# KiCad board GanJing 65 rev 2 solder-rounded.kicad_pcb (continued)
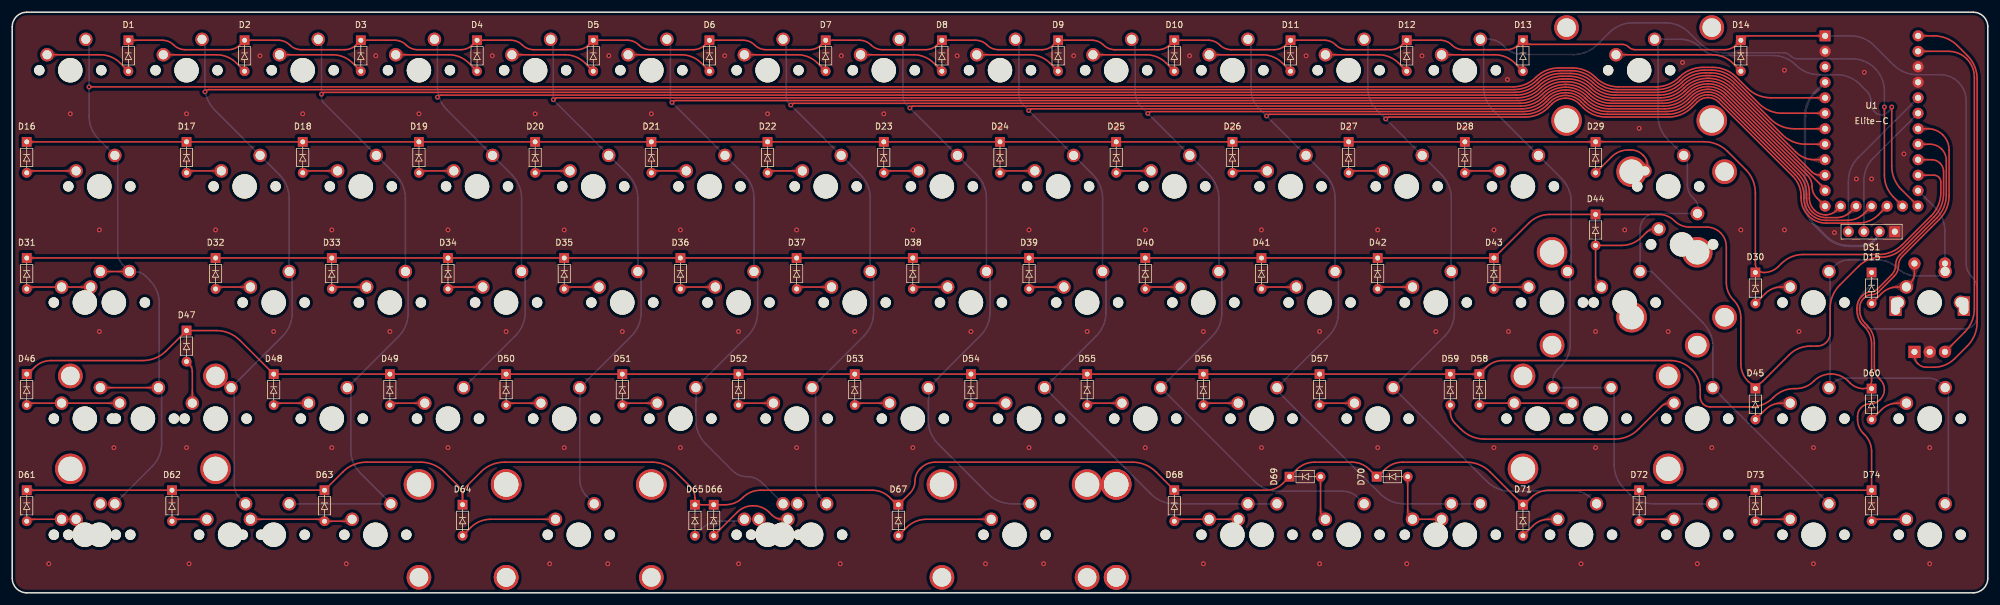
[diagram p0: board, top side]
## Copper pours and planes (outline as drawn; the poured copper is in the pictures) (continued)
col_1 on Bottom: 17.51,54.5 17.64,54.22 17.73,53.98 17.8,53.76 17.86,53.57 17.9,53.39 17.97,53.03 18.02,52.83 18.08,52.61 18.17,52.34 19.6,52.32 19.57,53.74 19.32,53.82 19.09,53.86 18.88,53.89 18.68,53.91 18.5,53.94 18.33,53.99 18.16,54.07 18.01,54.19 17.87,54.37 17.73,54.61
col_1 on Bottom: 21.42,52.47 21.19,52.62 21,52.75 20.84,52.86 20.7,52.97 20.45,53.17 20.32,53.28 20.17,53.39 20,53.51 19.79,53.64 18.66,52.73 19.65,51.7 19.85,51.8 20.02,51.92 20.18,52.04 20.32,52.16 20.46,52.26 20.6,52.35 20.75,52.39 20.91,52.4 21.09,52.36 21.29,52.25
col_1 on Bottom: 15.19,73.22 15.36,73.02 15.49,72.84 15.57,72.67 15.61,72.51 15.64,72.35 15.65,72.19 15.66,72.01 15.68,71.83 15.72,71.62 15.79,71.39 17.22,71.37 17.19,72.79 16.96,72.86 16.76,72.9 16.57,72.92 16.4,72.93 16.23,72.94 16.07,72.97 15.91,73.02 15.74,73.1 15.56,73.22 15.37,73.39
col_2 on Top: 295.39,78.55 295.6,78.53 295.77,78.5 295.92,78.45 296.04,78.39 296.15,78.31 296.25,78.23 296.36,78.14 296.48,78.05 296.62,77.95 296.79,77.86 297.63,78.67 296.79,79.48 296.62,79.39 296.48,79.29 296.36,79.2 296.25,79.11 296.15,79.03 296.04,78.95 295.92,78.89 295.77,78.84 295.6,78.81 295.39,78.8
col_2 on Top: 295.39,78.55 295.6,78.53 295.77,78.5 295.92,78.45 296.04,78.39 296.15,78.31 296.25,78.23 296.36,78.14 296.48,78.05 296.62,77.95 296.79,77.86 297.63,78.67 296.79,79.48 296.62,79.39 296.48,79.29 296.36,79.2 296.25,79.11 296.15,79.03 296.04,78.95 295.92,78.89 295.77,78.84 295.6,78.81 295.39,78.8
col_2 on Bottom: 36.52,31.58 36.54,31.87 36.57,32.11 36.62,32.32 36.68,32.5 36.75,32.66 36.82,32.82 36.88,32.99 36.93,33.18 36.96,33.4 36.98,33.66 35.62,34.14 35.23,32.76 35.4,32.65 35.56,32.56 35.71,32.48 35.84,32.4 35.97,32.32 36.07,32.22 36.16,32.11 36.22,31.97 36.26,31.8 36.27,31.58
col_2 on Bottom: 31.73,88.71 31.74,89 31.78,89.25 31.83,89.46 31.9,89.64 31.97,89.8 32.04,89.97 32.11,90.13 32.16,90.32 32.2,90.54 32.21,90.81 30.87,91.3 30.44,89.94 30.6,89.82 30.76,89.72 30.91,89.63 31.04,89.55 31.17,89.46 31.27,89.36 31.36,89.25 31.42,89.1 31.46,88.93 31.48,88.71
col_2 on Bottom: 37.34,35.29 37.14,35.12 36.97,35 36.8,34.92 36.64,34.87 36.47,34.84 36.31,34.83 36.14,34.82 35.95,34.8 35.74,34.76 35.52,34.69 35.49,33.27 36.92,33.29 36.98,33.52 37.02,33.73 37.04,33.91 37.05,34.09 37.07,34.25 37.09,34.41 37.14,34.57 37.22,34.74 37.34,34.92 37.51,35.12
col_2 on Bottom: 36.52,31.58 36.54,31.87 36.57,32.11 36.62,32.32 36.68,32.5 36.75,32.66 36.82,32.82 36.88,32.99 36.93,33.18 36.96,33.4 36.98,33.66 35.62,34.14 35.23,32.76 35.4,32.65 35.56,32.56 35.71,32.48 35.84,32.4 35.97,32.32 36.07,32.22 36.16,32.11 36.22,31.97 36.26,31.8 36.27,31.58
col_2 on Bottom: 45.28,54.9 45.26,54.63 45.22,54.42 45.16,54.25 45.08,54.1 44.98,53.97 44.88,53.84 44.76,53.71 44.64,53.56 44.53,53.39 44.41,53.18 45.4,52.16 46.39,53.18 46.28,53.39 46.16,53.56 46.04,53.71 45.93,53.84 45.82,53.97 45.73,54.1 45.64,54.25 45.58,54.42 45.54,54.63 45.53,54.9
col_2 on Bottom: 46.02,50.62 46.04,50.91 46.07,51.15 46.13,51.36 46.19,51.54 46.26,51.71 46.33,51.87 46.4,52.04 46.45,52.23 46.49,52.44 46.5,52.71 45.16,53.2 44.73,51.83 44.9,51.71 45.06,51.62 45.21,51.53 45.34,51.45 45.47,51.36 45.57,51.27 45.66,51.15 45.72,51.01 45.76,50.83 45.77,50.62
col_2 on Bottom: 31.73,88.71 31.74,89 31.78,89.25 31.83,89.46 31.9,89.64 31.97,89.8 32.04,89.97 32.11,90.13 32.16,90.32 32.2,90.54 32.21,90.81 30.87,91.3 30.44,89.94 30.6,89.82 30.76,89.72 30.91,89.63 31.04,89.55 31.17,89.46 31.27,89.36 31.36,89.25 31.42,89.1 31.46,88.93 31.48,88.71
col_2 on Bottom: 45.28,54.9 45.26,54.63 45.22,54.42 45.16,54.25 45.08,54.1 44.98,53.97 44.88,53.84 44.76,53.71 44.64,53.56 44.53,53.39 44.41,53.18 45.4,52.16 46.39,53.18 46.28,53.39 46.16,53.56 46.04,53.71 45.93,53.84 45.82,53.97 45.73,54.1 45.64,54.25 45.58,54.42 45.54,54.63 45.53,54.9
col_2 on Bottom: 36.59,16.38 36.71,16.1 36.8,15.86 36.87,15.65 36.92,15.46 36.96,15.28 36.99,15.11 37.03,14.93 37.07,14.73 37.14,14.5 37.22,14.24 38.65,14.22 38.62,15.64 38.38,15.71 38.15,15.76 37.94,15.78 37.75,15.81 37.56,15.83 37.39,15.88 37.23,15.96 37.08,16.08 36.94,16.25 36.81,16.48
col_2 on Bottom: 37.34,35.29 37.14,35.12 36.97,35 36.8,34.92 36.64,34.87 36.47,34.84 36.31,34.83 36.14,34.82 35.95,34.8 35.74,34.76 35.52,34.69 35.49,33.27 36.92,33.29 36.98,33.52 37.02,33.73 37.04,33.91 37.05,34.09 37.07,34.25 37.09,34.41 37.14,34.57 37.22,34.74 37.34,34.92 37.51,35.12
col_2 on Bottom: 46.02,50.62 46.04,50.91 46.07,51.15 46.13,51.36 46.19,51.54 46.26,51.71 46.33,51.87 46.4,52.04 46.45,52.23 46.49,52.44 46.5,52.71 45.16,53.2 44.73,51.83 44.9,51.71 45.06,51.62 45.21,51.53 45.34,51.45 45.47,51.36 45.57,51.27 45.66,51.15 45.72,51.01 45.76,50.83 45.77,50.62
col_2 on Bottom: 36.59,16.38 36.71,16.1 36.8,15.86 36.87,15.65 36.92,15.46 36.96,15.28 36.99,15.11 37.03,14.93 37.07,14.73 37.14,14.5 37.22,14.24 38.65,14.22 38.62,15.64 38.38,15.71 38.15,15.76 37.94,15.78 37.75,15.81 37.56,15.83 37.39,15.88 37.23,15.96 37.08,16.08 36.94,16.25 36.81,16.48
col_3 on Top: 295.39,76 295.6,75.99 295.77,75.96 295.92,75.91 296.04,75.85 296.15,75.77 296.25,75.69 296.36,75.6 296.48,75.51 296.62,75.41 296.79,75.32 297.63,76.13 296.79,76.94 296.62,76.85 296.48,76.75 296.36,76.66 296.25,76.57 296.15,76.49 296.04,76.41 295.92,76.35 295.77,76.3 295.6,76.27 295.39,76.25
col_3 on Top: 295.39,76 295.6,75.99 295.77,75.96 295.92,75.91 296.04,75.85 296.15,75.77 296.25,75.69 296.36,75.6 296.48,75.51 296.62,75.41 296.79,75.32 297.63,76.13 296.79,76.94 296.62,76.85 296.48,76.75 296.36,76.66 296.25,76.57 296.15,76.49 296.04,76.41 295.92,76.35 295.77,76.3 295.6,76.27 295.39,76.25
col_3 on Bottom: 65.03,50.6 65.04,50.89 65.08,51.13 65.13,51.34 65.2,51.52 65.28,51.68 65.35,51.84 65.42,52.01 65.49,52.19 65.53,52.41 65.55,52.67 64.23,53.21 63.74,51.86 63.91,51.74 64.06,51.63 64.21,51.54 64.35,51.45 64.47,51.36 64.57,51.26 64.66,51.14 64.72,51 64.76,50.82 64.78,50.6
col_3 on Bottom: 60.43,16.09 60.61,15.89 60.73,15.72 60.81,15.55 60.86,15.38 60.89,15.22 60.9,15.06 60.91,14.88 60.93,14.7 60.96,14.49 61.03,14.26 62.45,14.21 62.45,15.64 62.22,15.71 62.01,15.75 61.82,15.77 61.65,15.79 61.48,15.81 61.32,15.83 61.16,15.88 60.99,15.97 60.81,16.09 60.61,16.27
col_3 on Bottom: 50.82,88.74 50.84,89.03 50.87,89.27 50.92,89.47 50.98,89.65 51.04,89.82 51.11,89.98 51.17,90.15 51.22,90.33 51.25,90.55 51.26,90.81 49.9,91.29 49.53,89.91 49.7,89.8 49.86,89.71 50.01,89.63 50.14,89.55 50.27,89.47 50.37,89.37 50.46,89.26 50.52,89.12 50.56,88.95 50.57,88.74
col_3 on Bottom: 59.88,14.48 60.14,14.47 60.35,14.43 60.53,14.36 60.68,14.28 60.81,14.19 60.94,14.08 61.07,13.97 61.21,13.85 61.38,13.73 61.59,13.62 62.62,14.6 61.59,15.59 61.38,15.48 61.21,15.36 61.07,15.24 60.94,15.13 60.81,15.02 60.68,14.93 60.53,14.85 60.35,14.78 60.14,14.74 59.88,14.73
col_3 on Bottom: 47.59,14.73 47.33,14.74 47.12,14.78 46.95,14.85 46.8,14.93 46.66,15.02 46.54,15.13 46.41,15.24 46.26,15.36 46.09,15.48 45.88,15.59 44.85,14.6 45.88,13.62 46.09,13.73 46.26,13.85 46.41,13.97 46.54,14.08 46.66,14.19 46.8,14.28 46.95,14.36 47.12,14.43 47.33,14.47 47.59,14.48
col_3 on Bottom: 50.82,88.74 50.84,89.03 50.87,89.27 50.92,89.47 50.98,89.65 51.04,89.82 51.11,89.98 51.17,90.15 51.22,90.33 51.25,90.55 51.26,90.81 49.9,91.29 49.53,89.91 49.7,89.8 49.86,89.71 50.01,89.63 50.14,89.55 50.27,89.47 50.37,89.37 50.46,89.26 50.52,89.12 50.56,88.95 50.57,88.74
col_3 on Bottom: 56.39,35.29 56.19,35.12 56.02,35 55.85,34.92 55.69,34.87 55.52,34.84 55.36,34.83 55.19,34.82 55,34.8 54.79,34.76 54.57,34.69 54.54,33.27 55.97,33.29 56.03,33.52 56.07,33.73 56.09,33.91 56.1,34.09 56.12,34.25 56.14,34.41 56.19,34.57 56.27,34.74 56.39,34.92 56.56,35.12
col_3 on Bottom: 55.62,31.61 55.64,31.9 55.67,32.14 55.71,32.34 55.77,32.52 55.83,32.68 55.89,32.84 55.94,33 55.99,33.19 56.02,33.4 56.03,33.66 54.64,34.13 54.33,32.73 54.5,32.63 54.66,32.55 54.81,32.47 54.94,32.4 55.07,32.32 55.17,32.23 55.26,32.12 55.32,31.99 55.36,31.82 55.37,31.61
col_3 on Bottom: 60.43,16.09 60.61,15.89 60.73,15.72 60.81,15.55 60.86,15.38 60.89,15.22 60.9,15.06 60.91,14.88 60.93,14.7 60.96,14.49 61.03,14.26 62.45,14.21 62.45,15.64 62.22,15.71 62.01,15.75 61.82,15.77 61.65,15.79 61.48,15.81 61.32,15.83 61.16,15.88 60.99,15.97 60.81,16.09 60.61,16.27
col_3 on Bottom: 47.59,14.73 47.33,14.74 47.12,14.78 46.95,14.85 46.8,14.93 46.66,15.02 46.54,15.13 46.41,15.24 46.26,15.36 46.09,15.48 45.88,15.59 44.85,14.6 45.88,13.62 46.09,13.73 46.26,13.85 46.41,13.97 46.54,14.08 46.66,14.19 46.8,14.28 46.95,14.36 47.12,14.43 47.33,14.47 47.59,14.48
col_3 on Bottom: 55.62,31.61 55.64,31.9 55.67,32.14 55.71,32.34 55.77,32.52 55.83,32.68 55.89,32.84 55.94,33 55.99,33.19 56.02,33.4 56.03,33.66 54.64,34.13 54.33,32.73 54.5,32.63 54.66,32.55 54.81,32.47 54.94,32.4 55.07,32.32 55.17,32.23 55.26,32.12 55.32,31.99 55.36,31.82 55.37,31.61
col_3 on Bottom: 59.88,14.48 60.14,14.47 60.35,14.43 60.53,14.36 60.68,14.28 60.81,14.19 60.94,14.08 61.07,13.97 61.21,13.85 61.38,13.73 61.59,13.62 62.62,14.6 61.59,15.59 61.38,15.48 61.21,15.36 61.07,15.24 60.94,15.13 60.81,15.02 60.68,14.93 60.53,14.85 60.35,14.78 60.14,14.74 59.88,14.73
col_3 on Bottom: 56.39,35.29 56.19,35.12 56.02,35 55.85,34.92 55.69,34.87 55.52,34.84 55.36,34.83 55.19,34.82 55,34.8 54.79,34.76 54.57,34.69 54.54,33.27 55.97,33.29 56.03,33.52 56.07,33.73 56.09,33.91 56.1,34.09 56.12,34.25 56.14,34.41 56.19,34.57 56.27,34.74 56.39,34.92 56.56,35.12
col_3 on Bottom: 64.33,54.9 64.31,54.63 64.27,54.42 64.21,54.25 64.13,54.1 64.03,53.97 63.93,53.84 63.81,53.71 63.69,53.56 63.58,53.39 63.46,53.18 64.45,52.16 65.44,53.18 65.33,53.39 65.21,53.56 65.09,53.71 64.98,53.84 64.87,53.97 64.78,54.1 64.69,54.25 64.63,54.42 64.59,54.63 64.58,54.9
col_3 on Bottom: 65.03,50.6 65.04,50.89 65.08,51.13 65.13,51.34 65.2,51.52 65.28,51.68 65.35,51.84 65.42,52.01 65.49,52.19 65.53,52.41 65.55,52.67 64.23,53.21 63.74,51.86 63.91,51.74 64.06,51.63 64.21,51.54 64.35,51.45 64.47,51.36 64.57,51.26 64.66,51.14 64.72,51 64.76,50.82 64.78,50.6
col_3 on Bottom: 64.33,54.9 64.31,54.63 64.27,54.42 64.21,54.25 64.13,54.1 64.03,53.97 63.93,53.84 63.81,53.71 63.69,53.56 63.58,53.39 63.46,53.18 64.45,52.16 65.44,53.18 65.33,53.39 65.21,53.56 65.09,53.71 64.98,53.84 64.87,53.97 64.78,54.1 64.69,54.25 64.63,54.42 64.59,54.63 64.58,54.9
col_4 on Top: 295.39,73.47 295.6,73.45 295.77,73.42 295.92,73.37 296.04,73.31 296.15,73.23 296.25,73.15 296.36,73.06 296.48,72.97 296.62,72.87 296.79,72.78 297.63,73.59 296.79,74.4 296.62,74.31 296.48,74.21 296.36,74.12 296.25,74.03 296.15,73.95 296.04,73.87 295.92,73.81 295.77,73.76 295.6,73.73 295.39,73.72
col_4 on Top: 295.39,73.47 295.6,73.45 295.77,73.42 295.92,73.37 296.04,73.31 296.15,73.23 296.25,73.15 296.36,73.06 296.48,72.97 296.62,72.87 296.79,72.78 297.63,73.59 296.79,74.4 296.62,74.31 296.48,74.21 296.36,74.12 296.25,74.03 296.15,73.95 296.04,73.87 295.92,73.81 295.77,73.76 295.6,73.73 295.39,73.72
col_4 on Bottom: 69.82,88.71 69.84,89 69.88,89.25 69.93,89.46 70,89.64 70.07,89.8 70.14,89.97 70.21,90.13 70.26,90.32 70.3,90.54 70.31,90.81 68.97,91.3 68.54,89.94 68.7,89.82 68.86,89.72 69.01,89.63 69.14,89.55 69.27,89.46 69.37,89.36 69.46,89.25 69.52,89.1 69.56,88.93 69.57,88.71
col_4 on Bottom: 84.22,50.68 84.24,50.96 84.26,51.2 84.31,51.4 84.36,51.57 84.41,51.73 84.47,51.89 84.52,52.06 84.56,52.24 84.59,52.45 84.6,52.71 83.2,53.17 82.93,51.77 83.1,51.67 83.26,51.59 83.41,51.52 83.54,51.45 83.67,51.37 83.77,51.29 83.86,51.18 83.92,51.05 83.96,50.88 83.97,50.68
col_4 on Bottom: 75.44,35.29 75.24,35.12 75.07,35 74.9,34.92 74.74,34.87 74.57,34.84 74.41,34.83 74.24,34.82 74.05,34.8 73.84,34.76 73.62,34.69 73.59,33.27 75.02,33.29 75.08,33.52 75.12,33.73 75.14,33.91 75.15,34.09 75.17,34.25 75.19,34.41 75.24,34.57 75.32,34.74 75.44,34.92 75.61,35.12
col_4 on Bottom: 84.22,50.68 84.24,50.96 84.26,51.2 84.31,51.4 84.36,51.57 84.41,51.73 84.47,51.89 84.52,52.06 84.56,52.24 84.59,52.45 84.6,52.71 83.2,53.17 82.93,51.77 83.1,51.67 83.26,51.59 83.41,51.52 83.54,51.45 83.67,51.37 83.77,51.29 83.86,51.18 83.92,51.05 83.96,50.88 83.97,50.68
col_4 on Bottom: 83.38,54.9 83.36,54.63 83.32,54.42 83.26,54.25 83.18,54.1 83.08,53.97 82.98,53.84 82.86,53.71 82.74,53.56 82.63,53.39 82.51,53.18 83.5,52.16 84.49,53.18 84.38,53.39 84.26,53.56 84.14,53.71 84.03,53.84 83.92,53.97 83.83,54.1 83.74,54.25 83.68,54.42 83.64,54.63 83.63,54.9
col_4 on Bottom: 83.38,54.9 83.36,54.63 83.32,54.42 83.26,54.25 83.18,54.1 83.08,53.97 82.98,53.84 82.86,53.71 82.74,53.56 82.63,53.39 82.51,53.18 83.5,52.16 84.49,53.18 84.38,53.39 84.26,53.56 84.14,53.71 84.03,53.84 83.92,53.97 83.83,54.1 83.74,54.25 83.68,54.42 83.64,54.63 83.63,54.9
col_4 on Bottom: 75.44,35.29 75.24,35.12 75.07,35 74.9,34.92 74.74,34.87 74.57,34.84 74.41,34.83 74.24,34.82 74.05,34.8 73.84,34.76 73.62,34.69 73.59,33.27 75.02,33.29 75.08,33.52 75.12,33.73 75.14,33.91 75.15,34.09 75.17,34.25 75.19,34.41 75.24,34.57 75.32,34.74 75.44,34.92 75.61,35.12
col_4 on Bottom: 69.82,88.71 69.84,89 69.88,89.25 69.93,89.46 70,89.64 70.07,89.8 70.14,89.97 70.21,90.13 70.26,90.32 70.3,90.54 70.31,90.81 68.97,91.3 68.54,89.94 68.7,89.82 68.86,89.72 69.01,89.63 69.14,89.55 69.27,89.46 69.37,89.36 69.46,89.25 69.52,89.1 69.56,88.93 69.57,88.71
col_5 on Top: 294.49,71.02 294.81,70.95 295.09,70.89 295.32,70.83 295.53,70.77 295.72,70.71 295.9,70.64 296.09,70.57 296.29,70.48 296.52,70.37 296.79,70.24 297.63,71.05 296.79,71.86 296.53,71.73 296.31,71.6 296.11,71.49 295.92,71.39 295.74,71.3 295.55,71.24 295.35,71.2 295.12,71.19 294.85,71.21 294.54,71.27
col_5 on Top: 294.49,71.02 294.81,70.95 295.09,70.89 295.32,70.83 295.53,70.77 295.72,70.71 295.9,70.64 296.09,70.57 296.29,70.48 296.52,70.37 296.79,70.24 297.63,71.05 296.79,71.86 296.53,71.73 296.31,71.6 296.11,71.49 295.92,71.39 295.74,71.3 295.55,71.24 295.35,71.2 295.12,71.19 294.85,71.21 294.54,71.27
col_5 on Bottom: 93.45,16.61 93.61,16.3 93.75,16.04 93.85,15.81 93.93,15.6 94,15.41 94.06,15.22 94.19,14.79 94.27,14.54 94.37,14.24 95.8,14.22 95.77,15.64 95.49,15.73 95.23,15.79 94.99,15.84 94.77,15.88 94.56,15.93 94.37,16 94.19,16.11 94.01,16.25 93.84,16.46 93.66,16.73
col_5 on Bottom: 88.83,88.69 88.84,88.98 88.88,89.22 88.93,89.43 89,89.61 89.08,89.77 89.16,89.93 89.23,90.09 89.29,90.28 89.34,90.5 89.36,90.75 88.05,91.31 87.54,89.97 87.71,89.84 87.86,89.74 88.01,89.64 88.15,89.55 88.27,89.46 88.37,89.36 88.46,89.24 88.52,89.09 88.56,88.91 88.58,88.69
col_5 on Bottom: 88.83,88.69 88.84,88.98 88.88,89.22 88.93,89.43 89,89.61 89.08,89.77 89.16,89.93 89.23,90.09 89.29,90.28 89.34,90.5 89.36,90.75 88.05,91.31 87.54,89.97 87.71,89.84 87.86,89.74 88.01,89.64 88.15,89.55 88.27,89.46 88.37,89.36 88.46,89.24 88.52,89.09 88.56,88.91 88.58,88.69
col_5 on Bottom: 103.22,50.65 103.24,50.94 103.27,51.18 103.32,51.38 103.38,51.56 103.44,51.72 103.5,51.88 103.56,52.05 103.61,52.23 103.64,52.45 103.65,52.71 102.28,53.18 101.93,51.8 102.1,51.69 102.26,51.6 102.41,51.52 102.54,51.45 102.67,51.37 102.77,51.28 102.86,51.16 102.92,51.03 102.96,50.86 102.97,50.65
col_5 on Bottom: 93.45,16.61 93.61,16.3 93.75,16.04 93.85,15.81 93.93,15.6 94,15.41 94.06,15.22 94.19,14.79 94.27,14.54 94.37,14.24 95.8,14.22 95.77,15.64 95.49,15.73 95.23,15.79 94.99,15.84 94.77,15.88 94.56,15.93 94.37,16 94.19,16.11 94.01,16.25 93.84,16.46 93.66,16.73
col_5 on Bottom: 103.22,50.65 103.24,50.94 103.27,51.18 103.32,51.38 103.38,51.56 103.44,51.72 103.5,51.88 103.56,52.05 103.61,52.23 103.64,52.45 103.65,52.71 102.28,53.18 101.93,51.8 102.1,51.69 102.26,51.6 102.41,51.52 102.54,51.45 102.67,51.37 102.77,51.28 102.86,51.16 102.92,51.03 102.96,50.86 102.97,50.65
col_5 on Bottom: 102.43,54.9 102.41,54.63 102.37,54.42 102.31,54.25 102.23,54.1 102.13,53.97 102.03,53.84 101.91,53.71 101.79,53.56 101.68,53.39 101.56,53.18 102.55,52.16 103.54,53.18 103.43,53.39 103.31,53.56 103.19,53.71 103.08,53.84 102.97,53.97 102.88,54.1 102.79,54.25 102.73,54.42 102.69,54.63 102.68,54.9
col_5 on Bottom: 102.43,54.9 102.41,54.63 102.37,54.42 102.31,54.25 102.23,54.1 102.13,53.97 102.03,53.84 101.91,53.71 101.79,53.56 101.68,53.39 101.56,53.18 102.55,52.16 103.54,53.18 103.43,53.39 103.31,53.56 103.19,53.71 103.08,53.84 102.97,53.97 102.88,54.1 102.79,54.25 102.73,54.42 102.69,54.63 102.68,54.9
col_6 on Top: 295.36,68.64 295.56,68.52 295.72,68.42 295.86,68.33 295.98,68.24 296.19,68.08 296.3,68 296.43,67.91 296.58,67.82 296.75,67.72 297.63,68.5 296.8,69.33 296.65,69.24 296.51,69.15 296.38,69.05 296.27,68.95 296.16,68.87 296.05,68.8 295.93,68.76 295.8,68.75 295.65,68.78 295.48,68.86
col_6 on Top: 295.36,68.64 295.56,68.52 295.72,68.42 295.86,68.33 295.98,68.24 296.19,68.08 296.3,68 296.43,67.91 296.58,67.82 296.75,67.72 297.63,68.5 296.8,69.33 296.65,69.24 296.51,69.15 296.38,69.05 296.27,68.95 296.16,68.87 296.05,68.8 295.93,68.76 295.8,68.75 295.65,68.78 295.48,68.86
col_6 on Bottom: 122.33,50.68 122.34,50.96 122.36,51.2 122.41,51.4 122.46,51.57 122.51,51.73 122.57,51.89 122.62,52.06 122.66,52.24 122.69,52.45 122.7,52.71 121.3,53.17 121.03,51.77 121.2,51.67 121.36,51.59 121.51,51.52 121.64,51.45 121.77,51.37 121.87,51.29 121.96,51.18 122.02,51.05 122.06,50.88 122.08,50.68
col_6 on Bottom: 121.48,54.9 121.46,54.63 121.42,54.42 121.36,54.25 121.28,54.1 121.18,53.97 121.08,53.84 120.96,53.71 120.84,53.56 120.73,53.39 120.61,53.18 121.6,52.16 122.59,53.18 122.48,53.39 122.36,53.56 122.24,53.71 122.13,53.84 122.02,53.97 121.93,54.1 121.84,54.25 121.78,54.42 121.74,54.63 121.73,54.9
col_6 on Bottom: 122.33,50.68 122.34,50.96 122.36,51.2 122.41,51.4 122.46,51.57 122.51,51.73 122.57,51.89 122.62,52.06 122.66,52.24 122.69,52.45 122.7,52.71 121.3,53.17 121.03,51.77 121.2,51.67 121.36,51.59 121.51,51.52 121.64,51.45 121.77,51.37 121.87,51.29 121.96,51.18 122.02,51.05 122.06,50.88 122.08,50.68
col_6 on Bottom: 126.44,14.7 126.7,14.58 126.92,14.47 127.11,14.37 127.26,14.26 127.4,14.16 127.54,14.06 127.68,13.96 127.84,13.85 128.04,13.73 128.27,13.62 129.3,14.6 128.27,15.59 128.06,15.48 127.88,15.35 127.73,15.23 127.58,15.1 127.44,15 127.3,14.91 127.14,14.85 126.97,14.83 126.77,14.85 126.53,14.93
col_6 on Bottom: 108.03,88.77 108.04,89.05 108.07,89.29 108.11,89.49 108.16,89.67 108.22,89.83 108.28,89.99 108.33,90.16 108.37,90.34 108.4,90.55 108.41,90.81 107.02,91.27 106.73,89.87 106.9,89.78 107.06,89.69 107.21,89.62 107.34,89.55 107.47,89.47 107.57,89.38 107.66,89.28 107.72,89.14 107.76,88.98 107.78,88.77
col_6 on Bottom: 121.48,54.9 121.46,54.63 121.42,54.42 121.36,54.25 121.28,54.1 121.18,53.97 121.08,53.84 120.96,53.71 120.84,53.56 120.73,53.39 120.61,53.18 121.6,52.16 122.59,53.18 122.48,53.39 122.36,53.56 122.24,53.71 122.13,53.84 122.02,53.97 121.93,54.1 121.84,54.25 121.78,54.42 121.74,54.63 121.73,54.9
col_6 on Bottom: 108.03,88.77 108.04,89.05 108.07,89.29 108.11,89.49 108.16,89.67 108.22,89.83 108.28,89.99 108.33,90.16 108.37,90.34 108.4,90.55 108.41,90.81 107.02,91.27 106.73,89.87 106.9,89.78 107.06,89.69 107.21,89.62 107.34,89.55 107.47,89.47 107.57,89.38 107.66,89.28 107.72,89.14 107.76,88.98 107.78,88.77
col_6 on Bottom: 126.44,14.7 126.7,14.58 126.92,14.47 127.11,14.37 127.26,14.26 127.4,14.16 127.54,14.06 127.68,13.96 127.84,13.85 128.04,13.73 128.27,13.62 129.3,14.6 128.27,15.59 128.06,15.48 127.88,15.35 127.73,15.23 127.58,15.1 127.44,15 127.3,14.91 127.14,14.85 126.97,14.83 126.77,14.85 126.53,14.93
col_7 on Top: 295.96,67.27 296.09,67.12 296.18,66.99 296.24,66.86 296.27,66.73 296.29,66.61 296.28,66.48 296.28,66.34 296.27,66.2 296.27,66.03 296.29,65.85 297.43,65.59 297.64,66.74 297.46,66.84 297.3,66.9 297.15,66.95 297.01,66.98 296.87,67.02 296.74,67.06 296.6,67.11 296.46,67.19 296.3,67.3 296.14,67.45
col_7 on Top: 295.96,67.27 296.09,67.12 296.18,66.99 296.24,66.86 296.27,66.73 296.29,66.61 296.28,66.48 296.28,66.34 296.27,66.2 296.27,66.03 296.29,65.85 297.43,65.59 297.64,66.74 297.46,66.84 297.3,66.9 297.15,66.95 297.01,66.98 296.87,67.02 296.74,67.06 296.6,67.11 296.46,67.19 296.3,67.3 296.14,67.45
col_7 on Bottom: 127.03,88.74 127.04,89.03 127.07,89.27 127.12,89.47 127.18,89.65 127.25,89.82 127.31,89.98 127.37,90.15 127.42,90.33 127.45,90.55 127.47,90.81 126.1,91.29 125.73,89.91 125.9,89.8 126.06,89.71 126.21,89.63 126.34,89.55 126.47,89.47 126.57,89.37 126.66,89.26 126.72,89.12 126.76,88.95 126.78,88.74
col_7 on Bottom: 131.83,31.61 131.84,31.9 131.87,32.14 131.91,32.34 131.97,32.52 132.03,32.68 132.09,32.84 132.14,33 132.19,33.19 132.22,33.4 132.23,33.66 130.84,34.13 130.53,32.73 130.7,32.63 130.86,32.55 131.01,32.47 131.14,32.4 131.27,32.32 131.37,32.23 131.46,32.12 131.52,31.99 131.56,31.82 131.58,31.61
col_7 on Bottom: 132.59,35.29 132.39,35.12 132.22,35 132.05,34.92 131.89,34.87 131.72,34.84 131.56,34.83 131.39,34.82 131.2,34.8 130.99,34.76 130.77,34.69 130.74,33.27 132.17,33.29 132.23,33.52 132.27,33.73 132.29,33.91 132.3,34.09 132.32,34.25 132.34,34.41 132.39,34.57 132.47,34.74 132.59,34.92 132.76,35.12
col_7 on Bottom: 131.87,16.36 131.99,16.08 132.07,15.84 132.14,15.63 132.18,15.45 132.22,15.27 132.25,15.1 132.28,14.92 132.33,14.72 132.39,14.5 132.47,14.24 133.9,14.22 133.87,15.64 133.63,15.71 133.41,15.75 133.2,15.78 133.01,15.8 132.83,15.83 132.66,15.87 132.5,15.95 132.36,16.06 132.22,16.23 132.09,16.46
col_7 on Bottom: 132.59,35.29 132.39,35.12 132.22,35 132.05,34.92 131.89,34.87 131.72,34.84 131.56,34.83 131.39,34.82 131.2,34.8 130.99,34.76 130.77,34.69 130.74,33.27 132.17,33.29 132.23,33.52 132.27,33.73 132.29,33.91 132.3,34.09 132.32,34.25 132.34,34.41 132.39,34.57 132.47,34.74 132.59,34.92 132.76,35.12
col_7 on Bottom: 127.03,88.74 127.04,89.03 127.07,89.27 127.12,89.47 127.18,89.65 127.25,89.82 127.31,89.98 127.37,90.15 127.42,90.33 127.45,90.55 127.47,90.81 126.1,91.29 125.73,89.91 125.9,89.8 126.06,89.71 126.21,89.63 126.34,89.55 126.47,89.47 126.57,89.37 126.66,89.26 126.72,89.12 126.76,88.95 126.78,88.74
col_7 on Bottom: 140.53,54.9 140.51,54.63 140.47,54.42 140.41,54.25 140.33,54.1 140.23,53.97 140.13,53.84 140.01,53.71 139.89,53.56 139.78,53.39 139.66,53.18 140.65,52.16 141.64,53.18 141.53,53.39 141.41,53.56 141.29,53.71 141.18,53.84 141.07,53.97 140.98,54.1 140.89,54.25 140.83,54.42 140.79,54.63 140.78,54.9
col_7 on Bottom: 131.87,16.36 131.99,16.08 132.07,15.84 132.14,15.63 132.18,15.45 132.22,15.27 132.25,15.1 132.28,14.92 132.33,14.72 132.39,14.5 132.47,14.24 133.9,14.22 133.87,15.64 133.63,15.71 133.41,15.75 133.2,15.78 133.01,15.8 132.83,15.83 132.66,15.87 132.5,15.95 132.36,16.06 132.22,16.23 132.09,16.46
col_7 on Bottom: 141.33,50.65 141.34,50.94 141.37,51.18 141.42,51.38 141.48,51.56 141.54,51.72 141.6,51.88 141.66,52.05 141.71,52.23 141.74,52.45 141.75,52.71 140.38,53.18 140.03,51.8 140.2,51.69 140.36,51.6 140.51,51.52 140.64,51.45 140.77,51.37 140.87,51.28 140.96,51.16 141.02,51.03 141.06,50.86 141.08,50.65
col_7 on Bottom: 140.53,54.9 140.51,54.63 140.47,54.42 140.41,54.25 140.33,54.1 140.23,53.97 140.13,53.84 140.01,53.71 139.89,53.56 139.78,53.39 139.66,53.18 140.65,52.16 141.64,53.18 141.53,53.39 141.41,53.56 141.29,53.71 141.18,53.84 141.07,53.97 140.98,54.1 140.89,54.25 140.83,54.42 140.79,54.63 140.78,54.9
col_7 on Bottom: 131.83,31.61 131.84,31.9 131.87,32.14 131.91,32.34 131.97,32.52 132.03,32.68 132.09,32.84 132.14,33 132.19,33.19 132.22,33.4 132.23,33.66 130.84,34.13 130.53,32.73 130.7,32.63 130.86,32.55 131.01,32.47 131.14,32.4 131.27,32.32 131.37,32.23 131.46,32.12 131.52,31.99 131.56,31.82 131.58,31.61
col_7 on Bottom: 141.33,50.65 141.34,50.94 141.37,51.18 141.42,51.38 141.48,51.56 141.54,51.72 141.6,51.88 141.66,52.05 141.71,52.23 141.74,52.45 141.75,52.71 140.38,53.18 140.03,51.8 140.2,51.69 140.36,51.6 140.51,51.52 140.64,51.45 140.77,51.37 140.87,51.28 140.96,51.16 141.02,51.03 141.06,50.86 141.08,50.65
col_8 on Top: 295.83,64.61 295.97,64.45 296.07,64.31 296.13,64.17 296.18,64.04 296.2,63.91 296.21,63.78 296.23,63.64 296.24,63.48 296.28,63.32 296.33,63.13 297.5,63.11 297.48,64.28 297.29,64.33 297.13,64.37 296.97,64.38 296.83,64.4 296.7,64.41 296.57,64.43 296.44,64.48 296.3,64.54 296.16,64.64 296,64.78